# Altium PCB AutoinformerPCB.PcbDoc (part 3 of 3)
Units mm, origin at the board's own origin, x right, y up, seen from the top; angles counter-clockwise.
Board outline 176 x 90 mm, 2 copper layers (Top Layer, Bottom Layer); 272 components, 172 nets, 929 pads, 276 vias.
Unrouted connection lines stored in the file: 2.
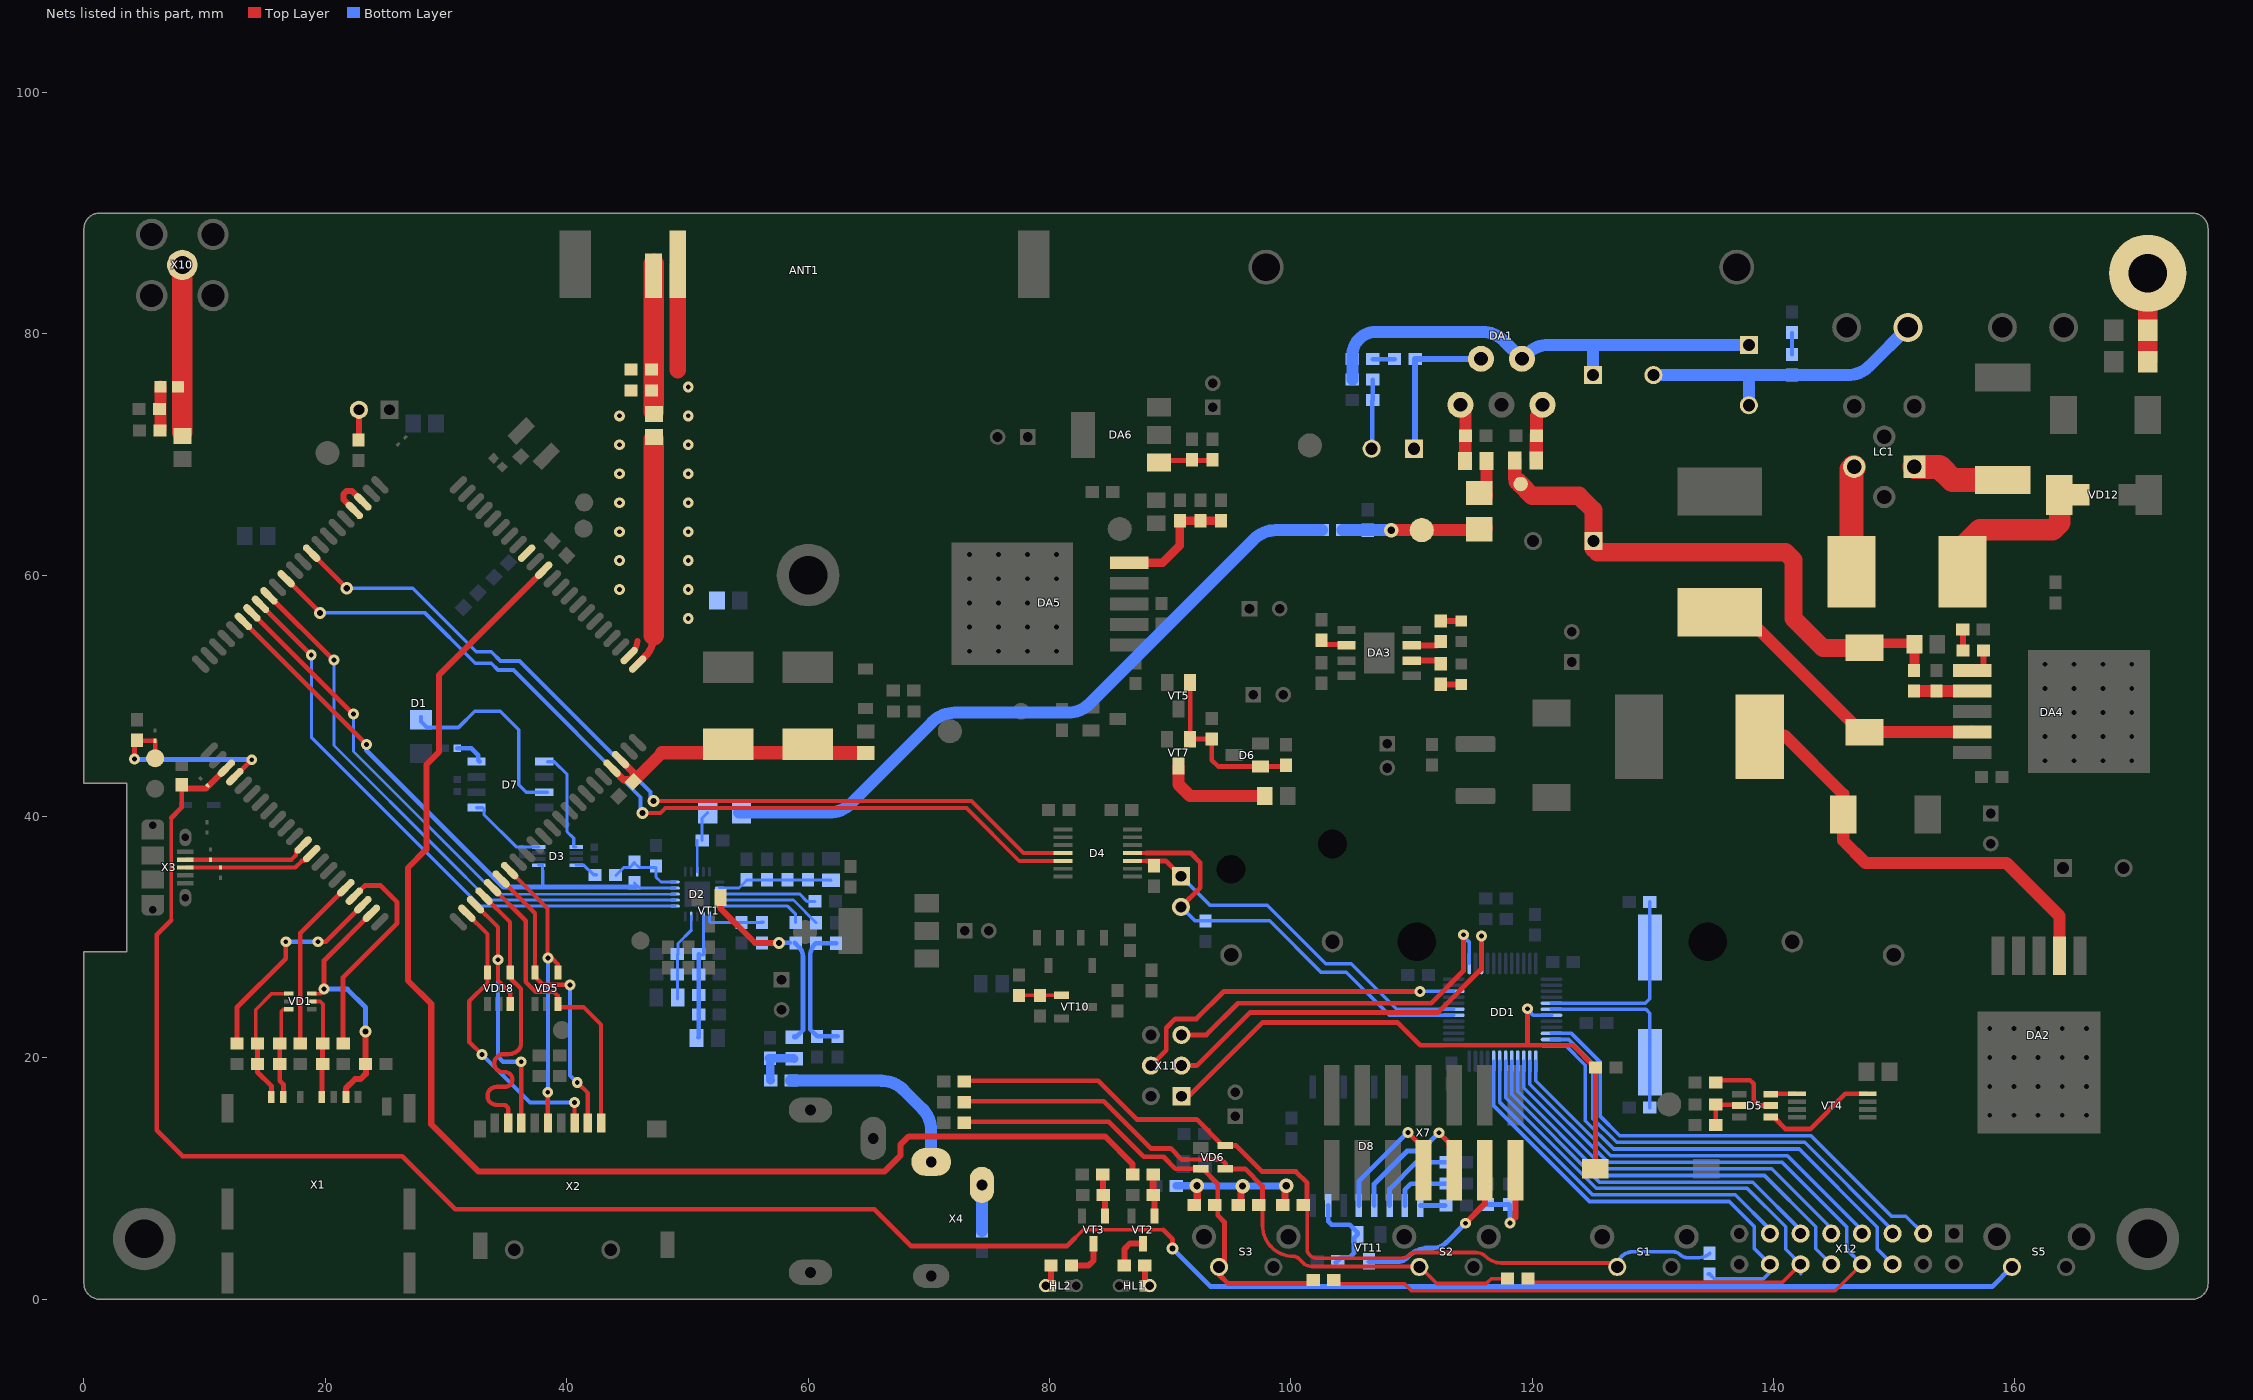
[diagram p3: the nets of this part, all layers, seen from the top]

## Via types
v1: diameter 0.9, hole 0.4, Top Layer to Bottom Layer, tented both sides, 141 vias
v2: diameter 1, hole 0.5, Top Layer to Bottom Layer, tented both sides, 110 vias
v3: diameter 1.2, hole 0.6, Top Layer to Bottom Layer, tented both sides, 14 vias
v4: diameter 1.4, hole 0.7, Top Layer to Bottom Layer, tented both sides, 10 vias
v5: diameter 2, hole 0.9, Top Layer to Bottom Layer, tented both sides, 1 vias

## Nets (pads, with @x,y where several pads share a name; then routed paths per layer and width w, separated by ;. In a path a pad name is that pad's centre, name@x,y a point inside that pad or via, vN(x,y) a via of type N, cw(c..) or ccw(c..) an arc to the next point about the centre after c; other vN are vias at no path point) (continued)
LCD_K: VT11.3 X7.11 | length 14.2
  Top Layer w0.5: v1(114.475,6.3) 116.075,7.9 116.075,10.695 X7.11@116.08,10.7
  Bottom Layer w0.4: VT11.3@106.465,3.1 108.845,3.1 ccw(c108.845,4.199) 109.622,3.422 109.75,3.55 cw(c111.44,1.86) 111.44,4.25 111.8,4.25 ccw(c111.8,5.759) 112.867,4.692 v1(114.475,6.3)
LCD_RS: D8.4 X7.9 | length 12.5
  Top Layer w0.4: v1(112.275,13.8) 113.09,12.985 113.09,12.75 113.54,12.3 X7.9@113.54,10.7
  Bottom Layer w0.4: D8.4@106.91,7.775 106.9,7.785 106.9,9.55 109.625,12.275 110.75,12.275 v1(112.275,13.8)
LCD_RW: D8.5 X7.7 | length 11.4
  Top Layer w0.4: v1(109.7,13.825) 110.55,12.975 110.55,12.775 111,12.325 X7.7@111,10.7
  Bottom Layer w0.4: D8.5@105.64,7.775 105.64,9.765 v1(109.7,13.825)
LCD_V0: R83.1 R84.1 X7.13 | length 7.9
  Top Layer w0.5: v1(118.175,6.325) 118.62,6.77 X7.13@118.62,10.7
  Bottom Layer w0.4: R83.1@116.35,7.85 R84.1@118.075,7.85 118.175,7.75 v1(118.175,6.325)
MAIN_ANT: D1.82 R44.1 | length 19.1
  Top Layer w0.6: D1.82@45.875,52.63 46.481,53.236 ccw(c44.685,55.032) 47.225,55.032
  Top Layer w1.697: 47.225,55.032 R44.1@47.225,71.25
MAIN_GND: ANT1.2 C42.1 C43.1 D1.41 R22.2 | length 10.5
  Top Layer w0.5: D1.41@45.168,53.323 D1.41@45.168,53.337 45.493,53.662 ccw(c44.63,54.525) 45.85,54.525 ; 49.075,76.7 ccw(c48.773,77.002) 49.2,77.002
  Top Layer w1.4: 49.2,77.002 ANT1.2@49.2,85.75
  other v1: 50.075,56.4 44.375,58.8 50.075,58.8 44.375,61.2 50.075,61.2 44.375,63.6 50.075,63.6 44.375,66 50.075,66 44.375,68.4 50.075,68.4 44.375,70.8 50.075,70.8 44.375,73.2 50.075,73.2 50.075,75.6
MCLK: C21.2 D2.10 R25.2 R78.2 | length 7
  Bottom Layer w0.25: R78.2@44.075,35.125 44.725,35.775 45.2,35.775 R25.2@45.625,36.2 R25.2@45.625,36.15 ; R25.2@45.25,35.775 R25.2@45.625,36.15 ; D2.10@48.969,34.57 47.805,34.57 47.4,34.975 47.4,35.775 46,35.775 R25.2@45.625,36.15
MIC_N: C6.2 C8.1 C23.1 R26.1 | length 11.5
  Bottom Layer w0.381: R26.1@62.325,29.5 60.625,29.5 ccw(c61.711,28.414) 60.175,28.414 60.175,22.35 C8.1@60.75,21.775 C6.2@62.45,21.775
MIC_P: C22.1 IND1.1 R17.2 VT1.1 | length 17.7
  Top Layer w0.5: VT1.1@52.75,33.24 52.725,33.265 52.725,32.4 55.6,29.525 v2(57.575,29.525) v2@57.6,29.525
  Bottom Layer w0.381: R17.2@56.3,29.525 v2(57.575,29.525) 57.6,29.525 58.475,29.525 ; IND1.1@58.85,21.715 58.99,21.715 59.575,22.3 59.575,28.389 ccw(c58.462,28.389) 59.249,29.176 C22.1@58.9,29.525 ; IND1.1@58.85,21.805 IND1.1@58.97,21.805
MICBIAS: C24.2 D2.1 R17.1 | length 5.1
  Bottom Layer w0.25: D2.1@51.82,31.719 51.82,31.305 51.9,31.225 54.6,31.225 56.275,31.225 56.3,31.25 R17.1@56.1,31.25
MOUT: C30.1 R69.1 | length 57.6
  Bottom Layer w1: C30.1@54.275,40.325 C30.1@54.475,40.325 61.748,40.325 ccw(c61.748,42.865) 63.544,41.069 70.331,47.856 cw(c72.127,46.06) 72.127,48.6 81.523,48.6 ccw(c81.523,51.14) 83.319,49.344 96.956,62.981 cw(c98.752,61.185) 98.752,63.725 R69.1@102.6,63.725
NetANT1_3: ANT1.3 C42.2 C43.2 R44.2 | length 12.3
  Top Layer w1.697: R44.2@47.225,73.55 47.225,75.3 ANT1.3@47.225,85.8
NetBC1_1: BC1.1 C55.1 R50.1 | length 7.3
  Top Layer w1.5: C55.1@170.95,77.675 C55.1@171,77.725
  Top Layer w1.6: C55.1@171,77.725 BC1.1@171,85
NetC4_1: C4.1 IND1.2 R3.1 | length 4
  Bottom Layer w0.7: C4.1@56.725,19.95 56.75,19.975 56.77,19.955 C4.1@56.87,19.955 ; C4.1@56.85,19.975 C4.1@56.87,19.955 ; R3.1@56.9,18.125 56.875,18.15 56.875,19.95 C4.1@56.87,19.955 ; IND1.2@58.85,19.935 58.83,19.955 C4.1@56.87,19.955
NetC5_1: C5.1 R14.2 VD1.5 X1.C2 | length 8.7
  Top Layer w0.3: VD1.5@18.875,24.675 19.575,24.675 19.8,24.45 R14.2@19.8,21.175 ; C5.1@19.71,19.435 C5.1@19.775,19.5
  Top Layer w0.4: X1.C2@19.71,16.775 C5.1@19.71,19.435 ; C5.1@19.775,19.5 R14.2@19.775,21.175
NetC7_1: C7.1 R15.2 VD1.1 X1.C3 | length 11.1
  Top Layer w0.3: R15.2@14.375,21.175 14.225,21.325 14.225,23.981 15.569,25.325 VD1.1@16.975,25.325
  Top Layer w0.4: R15.2@14.375,21.175 C7.1@14.375,19.5 14.375,18.825 15.525,17.675 15.525,16.78 X1.C3@15.52,16.775
NetC9_1: C9.1 R16.2 VD1.3 X1.C7 | length 8
  Top Layer w0.3: R16.2@16.225,21.175 16.35,21.3 16.35,23.85 16.525,24.025 VD1.3@16.975,24.025
  Top Layer w0.4: R16.2@16.225,21.175 C9.1@16.225,19.5 16.225,18.1 16.525,17.8 16.525,16.78 X1.C7@16.52,16.775
NetC11_1: C11.1 C14.1 C17.1 C19.1 D2.2 IND2.2 | length 10.2
  Bottom Layer w0.24: C14.1@51.32,28.53 D2.2@51.32,31.719
  Bottom Layer w0.25: C14.1@51.23,28.53 C14.1@51.27,28.57
  Bottom Layer w0.381: IND2.2@50.91,21.7 50.93,21.72 50.93,25.225 50.93,28.58 C14.1@50.95,28.6 ; C14.1@50.98,28.57 C14.1@51,28.55
NetC12_1: C12.1 C15.1 D2.4 IND3.2 | length 7.4
  Bottom Layer w0.24: 50.32,30.57 D2.4@50.32,31.719
  Bottom Layer w0.25: IND3.2@49.19,24.875 49.19,28.55 49.17,28.57 49.22,28.57 49.22,29.47 50.32,30.57
NetC13_1: C13.1 C16.1 C18.1 C20.1 D2.17 IND4.2 | length 9.6
  Bottom Layer w0.24: D2.17@52.671,34.07 54.27,34.07
  Bottom Layer w0.25: 54.27,34.07 54.9,34.7 C16.1@54.9,34.75 C13.1@56.6,34.75 C18.1@58.3,34.75 C20.1@60,34.75 61.86,34.75 IND4.2@61.9,34.71
NetC22_2: C22.2 D2.20 | length 7.3
  Bottom Layer w0.24: D2.20@52.671,32.57 58.305,32.57
  Bottom Layer w0.25: 58.305,32.57 58.975,31.9 C22.2@58.975,31.225
NetC23_2: C23.2 D2.19 | length 8.8
  Bottom Layer w0.24: D2.19@52.671,33.07 58.78,33.07 C23.2@60.65,31.2
NetC25_1: C25.1 C26.1 C27.1 D1.38 D1.39 IND6.1 | length 24.6
  Top Layer w0.6: D1.38@43.754,44.004 44.707,43.05 C25.1@45.68,43.05 ; D1.39@44.461,44.711 45.5,43.672 C25.1@45.5,43.075 ; C26.1@53.305,45.245 53.36,45.19 C26.1@53.375,45.175 ; C27.1@59.975,45.175 C27.1@60.04,45.24
  Top Layer w1: C25.1@45.68,43.05 47.91,45.28 ; C26.1@53.36,45.19 C26.1@53.375,45.19
  Top Layer w1.15: 47.91,45.28 59.995,45.28 60.69,45.265 64.77,45.265 IND6.1@64.775,45.26
NetC28_2: C28.2 D2.18 | length 8.2
  Bottom Layer w0.24: D2.18@52.671,33.57 59.305,33.57
  Bottom Layer w0.25: 59.305,33.57 59.9,32.975 C28.2@60.575,32.975
NetC29_2: C29.2 C30.2 D2.13 | length 5.1
  Bottom Layer w0.24: D2.13@50.82,35.421 C29.2@50.82,38
  Bottom Layer w0.25: C29.2@51.225,38 51.225,39.875 C30.2@51.675,40.325
NetC31_1: C31.1 IND7.1 | length 2.8
  Top Layer w1: IND7.1@116.215,69.45 116.215,66.735 C31.1@116.25,66.7 ; C31.1@116.22,66.58 C31.1@116.25,66.55
NetC31_2: C31.2 R69.2 R70.1 TP3.1 | length 12
  Top Layer w1: v3(108.325,63.725) TP3.1@110.85,63.725 C31.2@115.625,63.725 ; C31.2@115.625,63.9 C31.2@116.25,63.9
  Bottom Layer w1: R69.2@104.3,63.725 v3(108.325,63.725)
NetC32_1: C32.1 DA1.1 IND7.2 | length 4.4
  Top Layer w1: DA1.1@114.175,73.676 114.475,73.376 C32.1@114.475,71.55 114.455,71.55 114.455,69.47 IND7.2@114.435,69.45
NetC34_1: C34.1 DA1.5 IND8.2 | length 5
  Top Layer w1.1: IND8.2@120.34,69.5 120.345,69.505 120.345,71.595 120.35,71.6 120.35,73.22 120.845,73.715 120.845,74.26 DA1.5@120.85,74.265
NetC36_1: C36.1 C38.1 C39.1 DA1.4 R41.1 | length 39.7
  Bottom Layer w1: R41.1@105.1,76.2 C36.1@105.1,77.9 105.1,78.212 cw(c107.038,78.212) 107.038,80.15 115.873,80.15 cw(c115.873,77.61) 117.669,79.406 DA1.4@119.15,77.925 119.556,78.331 cw(c121.352,76.535) 121.352,79.075 125.075,79.075 ; C38.1@125.05,76.575 125.05,79.015 cw(c125.135,79.015) 125.075,79.075 ; C39.1@137.95,79.075 125.075,79.075
NetC36_2: C36.2 R37.1 | length 1.8
  Bottom Layer w0.381: C36.2@106.8,77.9 R37.1@108.6,77.9
NetC37_1: C37.1 DA1.2 R37.2 | length 12.9
  Bottom Layer w0.5: C37.1@110.2,70.475 110.3,70.575 R37.2@110.3,77.9 110.312,77.913 115.738,77.913 DA1.2@115.75,77.925
NetC37_2: C37.2 R41.2 R42.1 | length 5.8
  Bottom Layer w0.381: C37.2@106.7,70.475 106.75,70.525 106.75,74.45 R42.1@106.8,74.5 R41.2@106.8,76.2
NetC40_2: C40.2 R43.1 | length 1.8
  Bottom Layer w0.3: C40.2@141.525,78.275 R43.1@141.525,80.1
NetC41_1: C41.1 L1.2 X10.1 | length 13.9
  Top Layer w1.698: C41.1@8.15,71.825 X10.1@8.15,85.7
NetC44_2: C44.2 L1.1 R45.1 | length 3.6
  Top Layer w1: L1.1@6.349,75.625 6.352,75.622 6.352,74.35 6.352,73.8 R45.1@6.352,72.05
NetC50_2: C50.2 DD1.5 Y1.2 | length 16.3
  Bottom Layer w0.3: DD1.5@121.6,24.525 126.025,24.525 129.375,24.525 129.75,24.9 Y1.2@129.75,29.15 C50.2@129.75,32.925
NetC51_2: C51.2 DD1.6 Y1.1 | length 16.1
  Bottom Layer w0.3: DD1.6@121.6,24.025 129.425,24.025 ; 129.425,24.025 129.75,23.7 Y1.1@129.75,19.65 C51.2@129.75,15.875
NetC61_1: C61.1 D5.5 R56.2 | length 3.7
  Top Layer w0.381: C61.1@135.2,14.45 R56.2@135.2,16.15 135.25,16.1 137.1,16.1 D5.5@137.15,16.05
NetC66_1: C66.1 R76.2 | length 1.8
  Top Layer w0.5: C66.1@155.675,55.5 155.687,55.487 155.687,53.762 R76.2@155.7,53.75
NetC67_2: C67.2 DA5.5 R59.1 R60.2 | length 10.4
  Top Layer w0.7: DA5.5@86.611,61.027 89.377,61.027 90.8,62.45 R59.1@90.8,64.5 ; R59.1@90.8,64.7 R59.1@90.8,64.5 ; R60.2@94.2,64.5 C67.2@92.5,64.5 R59.1@90.8,64.5
NetD1_62: D1.62 D1.63 | length 3.8
  Top Layer w0.5: D1.63@22.399,65.358 22.399,65.385 21.497,66.287 21.497,66.702 21.773,66.978 22.194,66.978 D1.62@23.106,66.065
NetD3_4: D3.4 R78.1 | length 2
  Bottom Layer w0.27: D3.4@40.775,35.975 41.425,35.975 42.225,35.175 R78.1@42.45,35.175
NetD3_8: D3.8 D7.1 | length 6.8
  Bottom Layer w0.27: D7.1@32.525,40.735 33.019,40.735 33.15,40.604 33.15,40.125 35.8,37.475 D3.8@37.675,37.475
NetD5_1: D5.1 VT4.4 | length 9.7
  Top Layer w0.38: 145.95,17.025 VT4.4@147.813,17.025
  Top Layer w0.4: D5.1@139.75,15.1 140,15.1 141,14.1 143.025,14.1 145.95,17.025
NetD5_2: D5.2 R55.1 | length 6.3
  Top Layer w0.381: R55.1@135.1,18.15 138.05,18.15 138.35,17.85 138.35,16.473 138.773,16.05 D5.2@139.75,16.05
NetD5_3: D5.3 VT4.5 | length 2.2
  Top Layer w0.38: D5.3@139.775,17.024 VT4.5@141.937,17.025
NetD6_1: D6.1 R62.1 R63.1 VT5.1 VT7.1 | length 14.6
  Top Layer w0.381: VT7.1@91.65,46.4 VT7.1@91.655,46.405 ; VT5.1@91.66,51.05 91.655,51.045 VT7.1@91.655,46.405 ; R62.1@99.6,44.195 99.545,44.14 97.45,44.14 93.985,44.14 93.45,44.675 R63.1@93.45,46.425 91.675,46.425 VT7.1@91.655,46.405
NetD7_4: D7.4 R71.2 | length 2.6
  Bottom Layer w0.4: R71.2@30.925,45.65 32.1,45.65 32.675,45.075 32.675,44.67 D7.4@32.8,44.545
NetD7_7: D7.7 R72.2 | length 17.1
  Bottom Layer w0.3: R72.2@27.925,48.275 R72.2@27.925,48.025 27.925,47.875 28.425,47.375 31.025,47.375 32.375,48.725 34.5,48.725 36.025,47.2 36.025,42.625 36.645,42.005 D7.7@38.125,42.005 D7.7@38.4,42.005
NetD8_1: D8.1 R79.1 | length 2.1
  Bottom Layer w0.4: D8.1@110.72,7.775 R79.1@112.8,7.775
NetD8_2: D8.2 R80.1 | length 4.9
  Bottom Layer w0.4: D8.2@109.45,7.775 109.45,9.075 109.95,9.575 R80.1@112.85,9.575
NetD8_3: D8.3 R81.1 | length 6.9
  Bottom Layer w0.4: D8.3@108.18,7.775 108.18,9.13 110.4,11.35 R81.1@112.85,11.35
NetD8_7: D8.7 R82.2 VT11.1 | length 7.8
  Bottom Layer w0.4: D8.7@103.075,7.75 D8.7@103.1,7.775 103.1,6.45 103.375,6.175 104.875,6.175 105.2,5.85 105.215,5.85 105.515,5.55 VT11.1@105.515,5.35 105.225,5.06 105.225,3.825 104.885,3.485 104.2,3.485 R82.2@103.9,3.185 R82.2@103.75,3.035
NetDA2_2: DA2.2 L2.1 VD11.2 | length 38.3
  Top Layer w1: L2.1@139,47.475 139,45.975 139.75,46.725 140.9,46.725 145.775,41.85 VD11.2@145.775,40.175 145.775,38 147.625,36.15 159.3,36.15 163.7,31.75 DA2.2@163.7,28.475 DA2.2@163.721,28.496
NetDA3_2: DA3.2 R54.2 | length 2.4
  Top Layer w0.381: R54.2@102.275,54.25 104.548,54.25 DA3.2@104.613,54.185
NetDA3_6: DA3.6 R51.1 | length 2.7
  Top Layer w0.381: DA3.6@110.02,52.933 DA3.6@110.037,52.915 ; R51.1@112.308,52.933 112.325,52.95 R51.1@112.725,52.95
  Top Layer w0.5: DA3.6@110.02,52.933 R51.1@112.308,52.933
NetDA3_7: DA3.7 R52.1 | length 2.8
  Top Layer w0.381: R52.1@112.375,54.55 R52.1@112.607,54.782
  Top Layer w0.5: DA3.7@110.037,54.185 112.11,54.185 R52.1@112.425,54.5
NetDA4_1: DA4.1 R76.1 | length 2.4
  Top Layer w0.5: DA4.1@156.45,52.1 157.115,52.1 157.4,52.385 R76.1@157.4,53.75
NetDA4_2: DA4.2 R57.1 R58.2 | length 4.8
  Top Layer w1: R57.1@151.65,50.399 156.449,50.399 DA4.2@156.45,50.398
NetDA4_4: DA4.4 L3.2 VD16.1 | length 25.2
  Top Layer w1: L3.2@135.55,56.925 137.35,56.925 146.45,47.825 146.45,47.575 147.05,46.975 VD16.1@147.525,46.975 147.535,46.985 156.44,46.985 DA4.4@156.45,46.995 DA4.4@156.415,47.03
NetDA6_1: DA6.1 R65.2 R67.1 | length 4.6
  Top Layer w0.381: DA6.1@89.375,69.739 89.614,69.5 91.825,69.5 93.075,69.5 93.35,69.775 R65.2@93.525,69.95 ; R65.2@93.525,69.55 R65.2@93.725,69.55
NetF1_2: F1.2 LC1.1 | length 7.8
  Top Layer w2: LC1.1@151.675,68.975 153.725,68.975 154.825,67.875 F1.2@158.975,67.875
NetHL1_2: HL1.2 R30.2 | length 1.7
  Top Layer w0.5: HL1.2@87.9,1.125 R30.2@87.9,2.8
NetHL2_2: HL2.2 R40.2 | length 1.7
  Top Layer w0.5: HL2.2@80.1,1.125 80.113,1.138 80.113,2.788 R40.2@80.125,2.8
NetHL3_2: HL3.2 R51.2 | length 1.7
  Top Layer w0.5: R51.2@112.425,50.95 HL3.2@114.125,50.95
NetHL4_2: HL4.2 R52.2 | length 1.7
  Top Layer w0.5: R52.2@112.425,56.2 HL4.2@114.125,56.2
NetLC1_2: LC1.2 R53.1 | length 8.9
  Top Layer w2: R53.1@146.45,60.15 146.45,68.75 LC1.2@146.675,68.975
NETLIGHT: D1.51 R27.1 | length 114.7
  Top Layer w0.5: D1.51@38.097,60.409 29.425,51.737 29.425,45.35 28.375,44.3 28.375,37.275 26.85,35.75 26.85,26.4 28.775,24.475 28.775,14.5 32.7,10.575 66.325,10.575 67.675,11.925 67.675,12.825 68.35,13.5 84.6,13.5 86.9,11.2 R27.1@86.9,10.275
NetR1_1: R1.1 R4.2 R5.2 R6.2 | length 13.8
  Top Layer w0.6: v3@92.2,9.4 92.237,9.363 92.237,7.837 R4.2@92.25,7.825 ; R6.2@95.875,7.9 95.875,9.25 v3(96,9.375) ; R5.2@99.525,7.95 99.525,9.3 v3(99.625,9.4)
  Bottom Layer w0.6: R1.1@90.5,9.4 v3(92.225,9.4) 92.25,9.375 v3(96,9.375) 99.6,9.375 v3(99.625,9.4)
NetR2_2: R2.2 X4.3 | length 3.8
  Bottom Layer w1: R2.2@74.4,5.65 X4.3@74.4,9.475
NetR3_2: R3.2 X4.2 | length 16.6
  Bottom Layer w1: R3.2@58.6,18.125 66.098,18.125 ; 66.098,18.1 cw(c66.098,15.56) 67.894,17.356 69.458,15.792 cw(c67.665,14) 70.2,14 X4.2@70.2,11.375 X4.2@70.2,11.125
NetR4_1: R4.1 R12.2 R13.2 S3.1 VD6.2 | length 39.4
  Top Layer w0.4: R13.2@72.95,14.7 84.925,14.7 87.825,11.8 89.45,11.8 90.435,10.815 VD6.2@92.525,10.815 92.685,10.815 93.95,9.55 93.95,7.825 93.95,6.95 94.5,6.4 94.5,3.125 S3.1@94.05,2.675 94.05,2.05 94.8,1.3 101.55,1.3 R12.2@101.85,1.6 ; R12.2@101.85,1.4 R12.2@101.925,1.4
NetR5_1: R5.1 R8.2 R9.2 S1.1 VD6.4 | length 72.5
  Top Layer w0.3: R5.1@101.35,7.825 101.35,4.141 ccw(c101.993,4.141) 101.538,3.687 101.575,3.65 ccw(c102.179,4.254) 102.179,3.4 109.105,3.4 ccw(c109.105,4.595) 109.947,3.747 ccw(c109.736,3.961) 109.948,3.748 cw(c110.161,3.537) 109.95,3.75 cw(c110.252,3.448) 110.252,3.875 115.33,3.875 cw(c115.33,2.68) 116.175,3.525 ccw(c117.442,4.792) 117.442,3 126.913,3 cw(c126.913,2.863) S1.1@127.05,2.863
  Top Layer w0.4: R9.2@72.95,18.1 84.05,18.1 87.25,14.9 92.2,14.9 94.365,12.735 VD6.4@94.575,12.735 95.465,12.735 97.625,10.575 100.425,10.575 101.35,9.65 R5.1@101.35,7.825
  Bottom Layer w0.3: S1.1@127.05,2.675 cw(c128.3,2.675) 128.3,3.925 131.707,3.925 cw(c131.707,3.157) 132.25,3.7 cw(c132.039,3.487) 132.251,3.699 ccw(c132.854,4.304) 132.854,3.45 133.855,3.45 ccw(c133.855,4.645) R8.2@134.7,3.8
NetR6_1: R6.1 R10.2 R11.2 S2.1 VD6.3 | length 53.9
  Top Layer w0.3: 91.525,11.575 93.65,11.575 ; R6.1@97.65,7.825 97.65,6.134 ccw(c100.234,6.134) 100.234,3.55 cw(c100.234,2.968) 100.646,3.379 101.012,3.013 ccw(c101.738,3.739) 101.738,2.712 110.688,2.712 112.1,1.3 116.2,1.3 116.6,1.7 R10.2@117.95,1.7
  Top Layer w0.4: R11.2@72.95,16.4 84.5,16.4 88.4,12.5 90.05,12.5 90.975,11.575 91.525,11.575 ; 93.65,11.575 94.25,11.575 94.575,11.25 VD6.3@94.575,10.815 94.59,10.8 96.225,10.8 97.65,9.375 R6.1@97.65,7.825
NetR27_2: R27.2 R28.2 VT2.1 | length 3.6
  Top Layer w0.5: R27.2@88.6,10.325 R28.2@88.6,8.625 R28.2@88.655,8.57 ; VT2.1@88.655,6.78 VT2.1@88.71,6.725 ; VT2.1@88.705,6.78 R28.2@88.705,8.57
NetR30_1: R30.1 VT2.3 | length 3.1
  Top Layer w0.5: R30.1@86.2,2.8 86.2,4.15 86.675,4.625 VT2.3@87.75,4.625
NetR35_2: R35.2 X6.2 | length 2.5
  Top Layer w0.3: R35.2@22.75,71.2 R35.2@22.78,71.23
  Top Layer w0.5: R35.2@22.78,71.23 X6.2@22.78,73.7
NetR36_2: R36.2 R38.2 VT3.1 | length 3.6
  Top Layer w0.4: R36.2@84.425,10.325 R36.2@84.438,10.313 ; R38.2@84.45,8.625 R38.2@84.61,8.465
  Top Layer w0.5: R36.2@84.425,10.325 84.425,8.65 R38.2@84.45,8.625 ; VT3.1@84.61,6.8 R38.2@84.61,8.465
NetR40_1: R40.1 VT3.3 | length 3.5
  Top Layer w0.5: R40.1@81.825,2.8 83.25,2.8 83.65,3.2 VT3.3@83.65,4.7
NetR53_2: R53.2 VD12.A | length 13.4
  Top Layer w1.8: R53.2@155.65,60.15 R53.2@155.65,60.275 155.65,62.325 157.075,63.75 163.125,63.75 163.725,64.35 163.725,66.6 VD12.A@163.675,66.65
NetR66_1: R66.1 VT7.3 | length 9.1
  Top Layer w1: VT7.3@90.7,44.2 90.7,42.65 91.65,41.7 R66.1@97.85,41.7
NetR73_2: R73.2 R74.2 VT10.1 | length 3.6
  Top Layer w0.3: R73.2@77.405,25.18 VT10.1@80.995,25.18
  Top Layer w0.6: R73.2@77.4,25.35 R73.2@77.405,25.355
NRST: C54.1 DD1.7 S4.1 X11.1 | length 52.1
  Top Layer w0.4: X11.1@90.94,16.82 91.545,16.82 97.65,22.925 108.85,22.925 110.725,21.05 119.625,21.05 ; v1(119.625,24.075) 119.625,21.05 ; S4.1@125.225,10.8 125.25,10.825 C54.1@125.25,19.2 125.2,19.2 123.35,21.05 119.625,21.05
  Bottom Layer w0.3: v1(119.625,24.075) 120.075,23.525 DD1.7@121.6,23.525
OCLK: D3.1 D7.5 | length 8.5
  Bottom Layer w0.27: D7.5@38.4,44.545 38.98,44.545 40.025,43.5 40.025,38.75 40.575,38.2 40.575,37.475 D3.1@40.775,37.475
PA0: DD1.10 X12.3 | length 40.3
  Bottom Layer w0.3: DD1.10@121.6,22.025 123.25,22.025 125.625,19.65 125.625,15.175 127.25,13.55 143.1,13.55 149.775,6.875 150.965,6.875 X12.3@152.4,5.44
PA1: DD1.11 X12.5 | length 37.7
  Bottom Layer w0.3: DD1.11@121.6,21.525 123.025,21.525 125.025,19.525 125.025,14.975 127,13 142.575,13 149.86,5.715 X12.5@149.86,5.44
PA4: DD1.14 R12.1 X12.8 | length 81.4
  Top Layer w0.3: R12.1@103.8,1.3 103.825,1.275 109.425,1.275 110,0.7 134.584,0.7 145.12,0.7 X12.8@147.32,2.9
  Bottom Layer w0.3: DD1.14@119.8,19.725 119.8,17.825 126.275,11.35 140.7,11.35 146.05,6 146.05,4.17 X12.8@147.32,2.9
PB0: DD1.18 R10.1 X12.12 | length 58.4
  Top Layer w0.3: R10.1@119.65,1.7 119.95,1.4 140.74,1.4 X12.12@142.24,2.9
  Bottom Layer w0.3: DD1.18@117.8,19.725 117.8,16.7 125.3,9.2 137.8,9.2 141,6 141,4.14 X12.12@142.24,2.9 142.24,2.115
PB1: DD1.19 X12.13 | length 30.5
  Bottom Layer w0.3: DD1.19@117.3,19.725 117.3,16.35 125,8.65 136.825,8.65 139.7,5.775 X12.13@139.7,5.44
PB2: DD1.20 R8.1 X12.14 | length 39.2
  Bottom Layer w0.3: DD1.20@116.8,19.725 116.8,16.05 124.75,8.1 136.325,8.1 138.4,6.025 138.4,4.2 X12.14@139.7,2.9 139.7,2.225 139.175,1.7 135.088,1.7 134.7,2.088 R8.1@134.612,2.088
PCM_CLK: D1.76 D2.9 D3.5 R25.1 | length 47.6
  Top Layer w0.4: D1.76@13.207,56.166 v1(23.398,45.975)
  Bottom Layer w0.24: R25.1@45.625,34.5 46.055,34.07 D2.9@48.969,34.07
  Bottom Layer w0.27: D3.5@37.675,35.975 38,35.975 38,35.514 38.012,35.502 38.012,34.162 38,34.15
  Bottom Layer w0.4: v1(23.398,45.975) 23.398,45.502 34.75,34.15 38,34.15 R25.1@45.725,34.15
PCM_IN: D1.74 D2.6 | length 48.7
  Top Layer w0.25: v1@18.823,53.378 v1(18.836,53.378)
  Top Layer w0.4: D1.74@14.621,57.58 v1@18.823,53.378
  Bottom Layer w0.24: v1(18.836,53.378) 18.836,46.564 29.238,36.163 32.83,32.57 D2.6@48.969,32.57
PCM_OUT: D1.73 D2.7 | length 48.2
  Top Layer w0.3: v1@20.638,52.978 v1(20.705,52.978)
  Top Layer w0.4: D1.73@15.328,58.287 v1@20.638,52.978
  Bottom Layer w0.24: v1(20.705,52.978) 20.705,45.895 29.9,36.7 33.53,33.07 D2.7@48.969,33.07
PCM_SYNC: D1.75 D2.8 | length 46.5
  Top Layer w0.4: D1.75@13.914,56.873 22.287,48.5 v1(22.328,48.5)
  Bottom Layer w0.24: v1(22.328,48.5) 22.328,45.397 34.17,33.555 48.954,33.555 D2.8@48.969,33.57
PWRKEY: D1.3 R32.1 S5.1 VD17.2 | length 195.2
  Top Layer w0.3: 7.225,31.411 7.225,39.875 ; 82.138,5.088 82.8,5.75 89.425,5.75
  Top Layer w0.4: 7.225,31.411 6.025,30.211 6.025,14 8.175,11.85 26.375,11.85 30.775,7.45 65.5,7.45 68.55,4.4 81.45,4.4 82.138,5.088 ; 7.225,39.875 8.1,40.75 R32.1@8.1,42.625 ; 89.425,5.75 90.2,4.975 v2(90.2,4.2)
  Top Layer w0.5: R32.1@8.125,42.325 10.114,42.325 D1.3@11.792,44.004
  Bottom Layer w0.4: v2(90.2,4.2) 93.35,1.05 158.125,1.05 S5.1@159.75,2.675
RESET: C35.1 D1.4 TP6.1 VD8.2 | length 16.4
  Top Layer w0.4: v1(4.175,44.775) 4.175,46.1 C35.1@4.355,46.28 ; C35.1@4.4,46.325 C35.1@4.355,46.28 ; TP6.1@5.9,44.825 VD8.2@5.9,46.28 C35.1@4.355,46.28 ; D1.4@12.5,43.297 v1(13.9,44.697)
  Bottom Layer w0.4: v1(4.175,44.775) 4.214,44.736 13.861,44.736 v1(13.9,44.697)
SD_CLK: D1.26 VD5.4 X2.5 | length 24.5
  Top Layer w0.35: D1.26@35.268,35.518 38.4,32.387 38.4,28.325 v1(38.45,28.275) 38.555,28.17 38.855,28.17 39.275,27.75 VD5.4@39.275,27.025 ; X2.5@38.4,14.75 38.475,14.825 38.4,14.9 38.425,14.925 38.4,14.95 38.45,15 38.425,15.025 v1(38.425,17.15)
  Top Layer w0.381: X2.5@38.4,14.75 X2.5@38.45,14.7
  Bottom Layer w0.35: v1(38.425,17.15) v1@38.425,17.056 ; v1(38.45,28.275) v1@38.45,17.031 ; v1@38.5,17.05 ccw(c38.5,16.975) v1@38.45,17.031 ; v1@38.425,17.056 v1@38.45,17.031 ; v1@38.425,17.056 38.425,16.975 cw(c38.5,16.975) v1@38.45,17.031
SD_CMD: D1.21 VD18.5 X2.3 | length 24.5
  Top Layer w0.35: D1.21@31.733,31.983 31.733,31.942 33.425,30.25 33.425,27.025 33.425,26.2 31.925,24.7 31.925,21.325 v1(32.975,20.275) ; X2.3@40.65,14.6 v1(40.65,16.3)
  Bottom Layer w0.35: v1(32.975,20.275) 36.95,16.3 v1(40.65,16.3)
SD_D0: D1.22 VD18.3 X2.7 | length 24.5
  Top Layer w0.35: D1.22@32.44,32.69 34.3,30.83 v1(34.3,28.125) 34.3,26.425 35.325,25.4 VD18.3@35.325,24.525 ; v1(36.225,19.675) 36.225,14.725 X2.7@36.25,14.7
  Bottom Layer w0.35: v1(34.3,28.125) 34.3,20.1 34.725,19.675 v1(36.225,19.675)
SD_D1: D1.23 VD18.4 X2.8 | length 25.2
  Top Layer w0.35: D1.23@33.147,33.397 35.3,31.244 35.3,27.1 VD18.4@35.375,27.025 ; 33.625,17.35 ccw(c34.047,16.928) 33.45,16.928 33.45,16.772 ccw(c34.047,16.772) 33.625,16.35 ccw(c34.229,16.954) 34.229,16.1 34.748,16.1 cw(c34.748,15.673) 35.05,15.975 cw(c34.808,15.733) 35.15,15.733 X2.8@35.15,14.6 ; 33.625,17.35 cw(c34.229,16.746) 34.229,17.6 34.9,17.6 ccw(c34.9,18.2) 35.5,18.2 ccw(c34.875,18.2) 34.875,18.825 34.709,18.825 cw(c34.709,19.534) 34,19.534 cw(c34.766,19.534) 34.766,20.3 35.13,20.3 ccw(c35.13,21.556) 36.018,20.668 ccw(c35.577,21.108) 36.2,21.108 36.2,25.725 35.325,26.6 VD18.4@35.325,27.025
SD_D2: D1.24 VD5.3 X2.1 | length 25.2
  Top Layer w0.35: D1.24@33.854,34.104 36.6,31.358 36.6,26.3 37.425,25.475 38.95,25.475 39.25,25.175 39.25,24.35 39.4,24.2 41.4,24.2 42.85,22.75 X2.1@42.85,14.7
SD_D3: D1.25 VD5.5 X2.2 | length 24.5
  Top Layer w0.35: D1.25@34.561,34.811 34.561,34.802 37.375,31.988 37.375,27.025 37.375,26.725 38.05,26.05 v1(40.275,26.05) ; v1(40.875,17.95) 41.75,17.075 X2.2@41.75,14.6
  Bottom Layer w0.35: v1(40.275,26.05) 40.275,18.55 v1(40.875,17.95)
SPEAKER: C38.2 C39.2 C40.1 X8.2 | length 25.3
  Bottom Layer w1: C38.2@130.05,76.575 131.21,76.575 ; 131.15,76.6 ccw(c131.21,76.66) 131.21,76.575 ; C39.2@137.95,74.075 137.95,76.375 138.15,76.575 ; X8.2@151.14,80.525 147.934,77.319 cw(c146.138,79.115) 146.138,76.575 C40.1@141.525,76.575 138.15,76.575 ; 131.21,76.575 138.15,76.575
SPI1_MISO: DD1.16 X12.10 | length 35.5
  Bottom Layer w0.3: DD1.16@118.8,19.725 118.8,17.225 125.775,10.25 139.25,10.25 143.5,6 143.5,4.18 X12.10@144.78,2.9
SPI1_MOSI: DD1.17 X12.11 | length 31.6
  Bottom Layer w0.3: DD1.17@118.3,19.725 118.3,16.975 125.575,9.7 138.275,9.7 142.24,5.735 X12.11@142.24,5.44
SPI1_SCK: DD1.15 X12.9 | length 32.9
  Bottom Layer w0.3: DD1.15@119.3,19.725 119.3,17.525 126.025,10.8 139.85,10.8 144.78,5.87 X12.9@144.78,5.44
SWCLK: DD1.37 X11.5 | length 31.1
  Top Layer w0.4: X11.5@90.94,21.9 93,21.9 95.625,24.525 111.625,24.525 114.3,27.2 v1(114.3,30.2)
  Bottom Layer w0.3: v1(114.3,30.2) 114.3,30.065 114.8,29.565 DD1.37@114.8,27.825
SWDIO: DD1.34 X11.4 | length 28.8
  Top Layer w0.4: X11.4@88.4,19.416 X11.4@88.4,19.36 89.675,20.635 89.675,22.475 90.425,23.225 92.175,23.225 94.45,25.5 v1(110.7,25.5)
  Bottom Layer w0.3: v1(110.7,25.5) 110.725,25.525 DD1.34@113.5,25.525
SWO: DD1.39 X11.3 | length 33.2
  Top Layer w0.4: X11.3@90.94,19.36 92.21,19.36 96.6,23.75 112.175,23.75 115.8,27.375 v1(115.8,30.1)
  Bottom Layer w0.3: DD1.39@115.8,27.825 v1(115.8,30.1)
UART_RX: D1.68 D4.4 | length 72.8
  Top Layer w0.32: v2(47.2,41.3) 47.21,41.29 73.535,41.29 77.85,36.975 D4.4@81.13,36.975
  Top Layer w0.4: D1.68@18.864,61.823 v2(21.773,58.913)
  Bottom Layer w0.32: v2(21.773,58.913) 27.237,58.913 32.5,53.65 33.75,53.65 34.5,52.9 36.075,52.9 46.95,42.025 46.95,41.55 v2(47.2,41.3)
UART_RX_3V3: D4.11 DD1.30 R46.2 X13.2 | length 36.6
  Top Layer w0.32: D4.11@86.87,36.975 88.025,36.975
  Top Layer w0.4: 88.025,36.975 91.7,36.975 92.5,36.175 92.5,34.105 X13.2@90.9,32.505
  Bottom Layer w0.3: X13.2@90.9,32.505 92.055,31.35 R46.2@92.925,31.35 98.25,31.35 102.5,27.1 104.6,27.1 108.175,23.525 DD1.30@113.5,23.525
UART_TX: D1.71 D4.5 | length 75.1
  Top Layer w0.32: v2(46.275,40.3) 47.775,40.3 48.175,40.7 73.125,40.7 77.5,36.325 D4.5@81.13,36.325
  Top Layer w0.4: D1.71@16.749,59.701 v2(19.573,56.878)
  Bottom Layer w0.32: v2(19.573,56.878) 28.247,56.878 32.425,52.7 33.75,52.7 34.3,52.15 35.575,52.15 46.125,41.6 46.125,40.45 v2(46.275,40.3)
UART_TX_3V3: D4.10 DD1.31 R47.2 X13.1 | length 31.7
  Top Layer w0.32: D4.10@86.87,36.325 88.025,36.325
  Top Layer w0.4: 88.025,36.325 89.62,36.325 X13.1@90.9,35.045
  Bottom Layer w0.3: X13.1@90.9,35.045 93.295,32.65 98.05,32.65 100.206,30.494 102.9,27.8 105,27.8 108.775,24.025 DD1.31@113.5,24.025
USART2_RX: DD1.13 X12.7 | length 34.1
  Bottom Layer w0.3: DD1.13@120.3,19.725 120.3,18.1 126.5,11.9 141.15,11.9 147.32,5.73 X12.7@147.32,5.44
USART2_TX: DD1.12 X12.6 | length 39.5
  Bottom Layer w0.3: DD1.12@121.6,21.025 122.775,21.025 124.4,19.4 124.4,14.8 126.75,12.45 142.125,12.45 148.6,5.975 148.6,4.16 X12.6@149.86,2.9
USB_N: D1.12 VD2.2 X3.2 | length 10.4
  Top Layer w0.35: X3.2@8.4,36.425 10.2,36.425 17.2,36.425 17.573,36.798 17.573,37.056 D1.12@18.156,37.64
USB_P: D1.13 VD4.2 X3.3 | length 10.9
  Top Layer w0.35: X3.3@8.4,35.775 11.275,35.775 11.45,35.775 17.5,35.775 18.053,36.328 18.259,36.328 D1.13@18.864,36.933
USIM_CLK: D1.19 R15.1 | length 17.8
  Top Layer w0.4: R15.1@12.675,21.175 12.675,24.175 16.725,28.225 v1(16.725,29.625) ; v1(19.4,29.625) 20.041,29.625 D1.19@23.106,32.69
  Bottom Layer w0.4: v1(16.725,29.625) v1(19.4,29.625)
USIM_DATA: D1.17 R16.1 | length 14.5
  Top Layer w0.4: R16.1@17.925,21.175 17.925,30.337 D1.17@21.692,34.104
USIM_DET: D1.53
USIM_RST: D1.18 R14.1 | length 18.1
  Top Layer w0.4: R14.1@21.475,21.175 21.475,26.68 25.95,31.155 25.95,32.901 24.573,34.278 23.28,34.278 D1.18@22.399,33.397
USIM_VDD: C3.1 D1.20 VD1.6 X1.C1 | length 21.7
  Top Layer w0.3: VD1.6@18.875,25.325 19.662,25.325 v1@19.875,25.538
  Top Layer w0.4: v1@19.875,25.538 19.9,25.563 v1(19.9,25.7) 19.9,28.07 D1.20@23.813,31.983 23.813,31.929 D1.20@23.774,31.929
  Top Layer w0.5: X1.C1@21.71,16.775 21.7,16.785 21.7,17.475 22.475,18.25 22.925,18.25 23.35,18.675 23.35,19.475 C3.1@23.325,19.5 v2(23.325,22.2)
  Bottom Layer w0.4: v1(19.9,25.7) 21.825,25.7 23.325,24.2 v2(23.325,22.2)
Vamp: C70.1 IND8.1 R57.2 R77.2 TP10.1 VD16.2 | length 48.4
  Top Layer w0.5: R77.2@151.675,53.975 R77.2@151.925,54.225
  Top Layer w0.8: VD16.2@147.525,53.975 147.15,54.35 147.525,54.35 151.65,54.35 R77.2@151.675,54.375 ; R57.2@151.6,52.1 151.65,52.15 R57.2@151.65,52.1 151.675,52.125 R77.2@151.675,53.975
  Top Layer w0.9: IND8.1@118.55,69.49 IND8.1@118.56,69.5
  Top Layer w1.1: IND8.1@118.55,69.49 118.55,68.025 TP10.1@118.8,67.775
  Top Layer w1.5: TP10.1@118.8,67.775 119,67.575 120,66.575 123.875,66.575 125.075,65.375 C70.1@125.075,62.825 125.075,62.225 125.4,61.9 141,61.9 141.65,61.25 141.65,56.425 144.1,53.975 VD16.2@147.525,53.975
pads on no net: ANT1.1 ANT1.4 BC2.1 BC3.1 BC4.1 D1.6 D1.7 D1.8 D1.9 D1.16 D1.27 D1.28 D1.29 D1.30 D1.31 D1.32 D1.33 D1.35 D1.36 D1.42 D1.44 D1.45 D1.66 D1.67 D1.69 D1.70 D1.72 D1.83 D1.84 D1.86 D2.14 D2.16 D4.6 D4.9 D5.4 D7.8 D8.13 DA1.19 DA1.20 DD1.2 DD1.3 DD1.4 DD1.25 DD1.26 DD1.27 DD1.28 DD1.29 DD1.33 DD1.38 DD1.40 DD1.41 DD1.45 DD1.46 N2.SN VD1.4 VD5.1 VD18.1 VT4.1 VT4.8 X1.C6 X1.CD X1.CDL X2.9 X2.14 X2.15 X3.4 X5.1 X5.2 X5.3 X7.10 X12.4 X14.MH

## Polygon pours and split planes (outlines as drawn)
GND on Top Layer "BOARD_GND" (solid, remove dead copper, pour order 28): 1.3,89.575 1.3,51.725 8.65,51.725 14.65,57.725 14.65,77.65 27.925,77.65 27.925,70.84 47.165,51.6 48.775,51.6 53.875,56.7 53.875,77.649 74.825,77.65 95.25,77.649 95.25,89.575 174.525,89.575 cw(c174.525,88.525) 175.575,88.525 175.575,1.317 cw(c174.552,1.458) 174.552,0.425 1.525,0.425 cw(c1.525,1.525) 0.425,1.525 0.425,28.35 3.95,28.35 3.95,43.2 0.425,43.2 0.425,88.55 cw(c1.834,88.233)
GND on Top Layer "LM-12_GND" (solid, remove dead copper, pour order 38): 161.15,58.25 175.5,58.25 175.5,39.025 161.15,39.025
GND on Top Layer "LM-5_GND" (solid, remove dead copper, pour order 40): 173.525,24.675 173.525,11.775 173.525,10.325 150.625,10.325 150.625,24.675
GND on Top Layer "Top Layer-GND" (solid, remove dead copper, pour order 16): 82.45,64.15 70.7,64.15 70.7,51.25 82.45,51.25
AUX_GND on Top Layer "AUX_GND_POLY" (solid, remove dead copper, pour order 42): 42.1,77.65 42.1,70.614 42.1,68.325 36.048,62.274 28.525,70.016 28.525,77.65
MAIN_GND on Top Layer "MAIN_GND" (solid, remove dead copper, pour order 34): 42.775,77.65 53.075,77.65 53.075,56.6 50.55,54.075 48.225,51.75 46.075,51.75 42.775,55.05
GNSS_GND on Top Layer "GNSS_GND" (solid, remove dead copper, pour order 30): 2.425,89.575 13.875,89.575 13.875,55.55 10.825,52.5 2.425,52.5
3V on Top Layer "Top Layer-3V" (solid, remove dead copper, pour order 14): 84.125,76.65 84.125,66.3 77.525,66.3 77.525,76.65
3V3 on Top Layer "3V3_L01_P000" (solid, remove dead copper, pour order 0): 65.675,25.8 65.675,34.9 58.575,34.9 58.575,25.8
GND on Bottom Layer "BOARD_BOT_GND" (solid, remove dead copper, pour order 36): 0.389,88.879 cw(c1.565,88.284) 1.3,89.575 1.3,52.35 8.18,52.35 9.324,53.426 10.888,51.863 13.275,54.25 11.863,55.663 14.575,58.375 14.575,77.65 27.925,77.65 27.925,71.575 31.837,67.662 31.125,66.95 33.338,64.738 34.22,65.62 34.918,65.025 39.375,65.025 42.625,68.275 42.7,68.275 42.7,57.075 48.437,51.337 53.7,56.6 53.7,77.65 95.25,77.625 95.25,89.575 174.525,89.575 cw(c174.525,88.525) 175.575,88.525 175.575,1.45 cw(c174.55,1.45) 174.55,0.425 1.525,0.425 cw(c1.525,1.525) 0.425,1.525 0.425,28.35 3.65,28.35 3.65,42.9 0.32,42.9
AGND on Bottom Layer "AUDIO_GND" (solid, remove dead copper, pour order 20): 55,0.425 55,20.075 28.475,20.075 28.475,50.65 49.225,50.65 49.225,44.25 62.675,44.25 69.768,51.343 80.818,51.343 95.975,66.5 95.975,83.075 153.55,83.075 153.55,74.975 143.85,74.975 143.85,71.65 111.975,71.65 111.975,61.439 99.207,61.439 82.05,43.675 77.7,43.675 77.7,0.425
MAIN_GND on Bottom Layer "MAIN_GND_BOT" (solid, remove dead copper, pour order 26): 43.1,77.65 43.1,56.875 45.525,54.45 44.075,53 45.538,51.538 47.143,53.143 48.393,51.893 50.475,53.975 53.1,56.6 53.1,77.65
AUX_GND on Bottom Layer "AUX_GND_BOT_POLY" (solid, remove dead copper, pour order 44): 35.4,77.65 42.1,77.65 42.1,70.7 42.1,68.325 39.2,65.425 34.625,65.425 34.15,65.9 33.361,65.111 31.461,67.011 32.15,67.7 28.525,71.325 28.525,77.65
GNSS_GND on Bottom Layer "Bottom Layer-GND 2" (solid, remove dead copper, pour order 22): 2.425,89.575 13.975,89.575 13.975,58.4 11.375,55.8 12.875,54.3 10.838,52.263 9.3,53.8 8,52.5 2.425,52.5 2.425,53.8

## Other copper
Top Layer:
  pour cut-out: 56,75 65,75 65,66 56,66
  pour cut-out: 76.875,51.25 82.45,51.25 82.45,57.4 82.925,57.4 82.925,50.775 76.875,50.775
  pour cut-out: 70.7,57.4 70.7,51.25 76.275,51.25 76.275,50.775 70.225,50.775 70.225,57.4
  pour cut-out: 82.45,58 82.45,64.15 76.875,64.15 76.875,64.625 82.925,64.625 82.925,58
  pour cut-out: 76.275,64.15 70.7,64.15 70.7,58 70.225,58 70.225,64.625 76.275,64.625
  pour cut-out: 161.775,24.675 150.625,24.675 150.625,14.1 150.125,14.1 150.125,25.175 161.775,25.175
  pour cut-out: 150.625,13.5 150.625,10.325 161.775,10.325 161.775,9.825 150.125,9.825 150.125,13.5
  pour cut-out: 162.375,10.325 173.525,10.325 173.525,17.2 174.025,17.2 174.025,9.825 162.375,9.825
  pour cut-out: 173.525,17.8 173.525,24.675 162.375,24.675 162.375,25.175 174.025,25.175 174.025,17.8
  pour cut-out: 161.15,48.95 161.15,58.25 168.225,58.25 168.225,58.75 160.65,58.75 160.65,48.95
  pour cut-out: 169.65,38.525 169.65,39.025 175.575,39.025 175.575,58.25 168.825,58.25 168.825,58.75 175.85,58.75 175.85,38.525
  pour cut-out: 161.15,48.35 161.15,39.025 168.404,39.025 168.404,38.525 160.65,38.525 160.65,48.35

## Silkscreen, mask and mechanical layers (free items; w line width, h text height)
Top Overlay:
  lines w0.2: 84,16.8 87.075,16.8 ; 110.937,74.313 113.3,71.95 ; 111.675,66.875 113.05,68.25 ; 112.55,68.25 113.05,68.25 ; 112.85,71.95 113.3,71.95 ; 113.05,67.8 113.05,68.25 ; 113.3,72.425 113.3,71.95 ; 156.21,6.71 156.55,6.71
  lines w0.25: 76.55,15.875 83.9,15.875 ; 76.55,18 76.55,20.45 83.9,20.45 83.9,18.025 83.9,13.7 76.55,13.7 76.55,18.15 83.9,18.15 ; 80.225,13.8 80.225,18.1 ; 80.225,18 80.225,20.45 ; 135.89,6.71 135.89,13.6 156.55,13.6 156.55,6.71 ; 135.95,10.15 156.55,10.15 ; 138.375,6.775 138.375,13.575 ; 140.925,6.775 140.925,13.575 ; 143.525,6.8 143.525,13.55 ; 146.05,6.775 146.05,13.55 ; 148.45,6.775 148.45,13.55 ; 150.75,6.775 150.75,13.575 ; 153.05,6.75 153.05,13.575
  text "-" at 154.57,87.66 h2
  text "+" at 167.03,86.86 h3
  text "-" at 141.525,80.1 h2
  text "+" at 154.05,79.6 h2
  text "BOOT" at 15.5,73.55 h1.52
  text "5V" at 100.275,72.475 h1.52
  text "1V8" at 14.9,70.35 h1.52
  text "SDA" at 42.15,66.625 h1.2
  text "SCL" at 42.325,64.2 h1.2
  text "3V8_EXT" at 74.575,63.45 h1.52
  text "MOUT" at 104.95,60.6 h1.52
  text "BAK" at 72.15,49 h1.52
  text "ON" at 73.675,46.975 h1.52
  text "3V8" at 69.725,44.3 h1.52
  text "RST" at 3.75,44.225 h1.2 r270
  text "BAK" at 69.725,42.15 h1.52
  text "3V3" at 57.75,32.15 h1.52
  text "ADC1" at 39.675,28.95 h1.52
  text "Autoinformer v1.1" at 4.4,25.6 h2.2 r270
  text "3V" at 40.825,21.5 h1.52
  text "SW" at 72.525,19.875 h3
  text "3V3" at 77.1,18.75 h1
  text "DIO" at 80.9,18.75 h1
  text "CLK" at 77.05,16.5 h1
  text "OUT" at 80.8,16.45 h1
  text "RST" at 80.825,14.325 h1
  text "GND" at 77.05,14.3 h1
  text "RX" at 147.8,11 h1 r90
  text "3V3" at 155.25,10.75 h0.8 r90
  text "PB1" at 140.225,10.725 h1 r90
  text "PA1" at 150.125,10.7 h1 r90
  text "OSI" at 142.75,10.675 h1 r90
  text "SCL" at 137.65,10.6 h1 r90
  text "PA0" at 152.4,10.575 h1 r90
  text "SCK" at 145.25,10.55 h1 r90
  text "INT" at 132.725,10 h1.52 r90
  text "3V8" at 130.75,9.85 h1.52 r90
  text "TX" at 150.125,7.525 h1 r90
  text "ISO" at 145.275,7.175 h1 r90
  text "PB0" at 142.7,7.125 h1 r90
  text "PA4" at 147.8,7.1 h1 r90
  text "GND" at 155.375,7.1 h1 r90
  text "SDA" at 137.65,7.075 h1 r90
  text "SWO" at 152.425,7.075 h1 r90
  text "PB2" at 140.2,7.05 h1 r90
  text "LCD" at 120.3,6.725 h3
Bottom Overlay:
  lines w0.2: 45.05,32.275 47.6,32.275 47.925,32.275 ; 45.213,38.737 45.475,38.475 ; 45.475,41.35 45.475,38.8 45.475,38.475 ; 45.737,38.737 45.475,38.475 ; 47.563,39.737 47.825,39.475 ; 47.662,32.012 47.925,32.275 ; 47.663,32.537 47.925,32.275 ; 47.825,42.35 47.825,39.8 ; 48.087,39.737 47.825,39.475 ; 54.875,37.95 54.875,37.625 ; 55.25,37.625 54.875,37.625 ; 55.875,38.625 54.875,37.625 ; 47.825,39.475 47.825,39.475 ; 47.825,39.475 47.825,39.8 ; 47.825,39.8 47.825,39.8
  text "1V8" at 87.075,9.75 h2
  text "pull-up" at 87.175,8 h2
Top Solder:
  lines w3: 1.9,9.1 1.9,28.475
Bottom Solder:
  lines w3: 1.9,9.225 1.9,28.475
Mechanical 4:
  the board outline again, w0.254
Mechanical 13:
  circle w0.254: c111.93,-7.375 r0.5
  circle w0.254: c114.47,-7.375 r0.5
  circle w0.254: c117.01,-7.375 r0.5
  circle w0.254: c119.55,-7.375 r0.5
  circle w0.254: c129.71,-7.375 r0.5
  circle w0.254: c127.17,-7.375 r0.5
  circle w0.254: c124.63,-7.375 r0.5
  circle w0.254: c122.09,-7.375 r0.5
  circle w0.254: c101.77,-7.375 r0.5
  circle w0.254: c104.31,-7.375 r0.5
  circle w0.254: c106.85,-7.375 r0.5
  circle w0.254: c109.39,-7.375 r0.5
  circle w0.254: c99.23,-7.375 r0.5
  circle w0.254: c96.69,-7.375 r0.5
  circle w0.254: c94.15,-7.375 r0.5
  circle w0.254: c91.61,-7.375 r0.5
  circle w0.254: c161.11,-38.875 r2.5
  circle w0.254: c86.11,-38.875 r2.5
  circle w0.254: c86.11,-7.875 r2.5
  circle w0.254: c161.11,-7.875 r2.5
  circle w0.254: c161.11,-7.875 r1.25
  circle w0.254: c161.11,-38.875 r1.25
  circle w0.254: c86.11,-38.875 r1.25
  circle w0.254: c86.11,-7.875 r1.25
  lines w0.2: 0.6,35.775 5.7,35.775 ; 39.3,88.65 39.3,82.85 40.325,82.85 80.1,82.85 ; 80.3,89.9 80.3,77.9 20.3,77.9 ; 20.3,77.9 20.3,89.9 20.3,77.9 ; 83.61,-41.375 163.61,-41.375 163.61,-5.375 83.61,-5.375 83.61,-41.375
  lines w0.25: 58.825,-19.1 58.825,-10 59.425,-9.4 61.025,-9.4 61.625,-10 61.625,-19.1 ; 69.05,-19.1 69.05,-13.4 69.45,-13 70.65,-13 71.05,-13.4 71.05,-19.1 ; 52.225,-25.9 72.65,-25.9 72.65,-19.1 52.225,-19.1 52.225,-25.9

## Text inside footprints (layer, text, board x,y; h text height)
C26: Top Overlay "+" at 51.575,43.375 h1.52 r90
C27: Top Overlay "+" at 58.275,43.3 h1.52 r90
C31: Top Overlay "+" at 113.225,67.975 h1.2 r270
C37: Top Overlay "+" at 112.54,70 h1.5
C38: Top Overlay "+" at 122.05,77.275 h1.5 r180
C39: Top Overlay "+" at 135.3,80.675 h1.5 r90
C56: Top Overlay "+" at 161.9,33.825 h1.5 r180
C58: Top Overlay "+" at 123.16,50.73 h1.5 r270
C60: Top Overlay "+" at 161.05,41.6 h1.5 r90
C62: Top Overlay "+" at 94.475,57.875 h1.5 r180
C65: Top Overlay "+" at 108.75,47.375 h1.5 r90
C69: Top Overlay "+" at 95.695,53.71 h1.5 r180
C70: Top Overlay "+" at 127.325,64.4 h1.5
C72: Top Overlay "+" at 95.65,73.875 h1.5 r270
C73: Top Overlay "+" at 72.25,28.675 h1.5 r180
C74: Top Overlay "+" at 56.775,28.25 h1.5 r90
C75: Top Overlay "+" at 80.3,70.8 h1.5
C78: Top Overlay "+" at 95.725,13.95 h1.5 r270
HL1: Top Overlay "+" at 84.09,0.525 h1.2
HL2: Top Overlay "+" at 83.91,1.725 h1.2 r180
HL3: Top Overlay "+" at 114.875,53.3 h1.2 r270
HL4: Top Overlay "+" at 116.125,54.1 h1.2 r90
N2: Top Overlay "S / N" at 59,75.7 h1.7
VD2: Top Overlay "+" at 10.79,38.04 h1.2 r270
VD3: Top Overlay "+" at 10.48,40.24 h1.2 r270
VD4: Top Overlay "+" at 11.925,33.53 h1.2 r90
VD7: Top Overlay "+" at 65.32,53.07 h1.2 r90
VD8: Top Overlay "+" at 5.3,48.52 h1.2 r270
VD9: Top Overlay "+" at 27.188,72.836 h1.2 r225
VD11: Top Overlay "+" at 154.6,42.675 h1.2 r180
VD12: Top Overlay "+" at 162.8,64.65 h1.2 r180
VD14: Bottom Overlay "+" at 12.65,40.36 h1.2
VD15: Top Overlay "+" at 120.99,50.85 h1.2 r270
VD16: Top Overlay "+" at 145.85,45.225 h1.2 r90
VD17: Top Overlay "+" at 8.75,43.9 h1.2 r315
X14: Top Overlay "+" at 90.7,24.325 h2; Top Overlay "+" at 99,28.65 h2; Top Overlay "-" at 153.22,27.555 h2; Top Overlay "-" at 145.89,28.695 h2